# KiCad board FT232H_Board.kicad_pcb
title: FT232H Protoboard; date: 2021-01-04; rev: 0.1; company: Evil Circuits; note: 1st attempt; note: By: MaLo
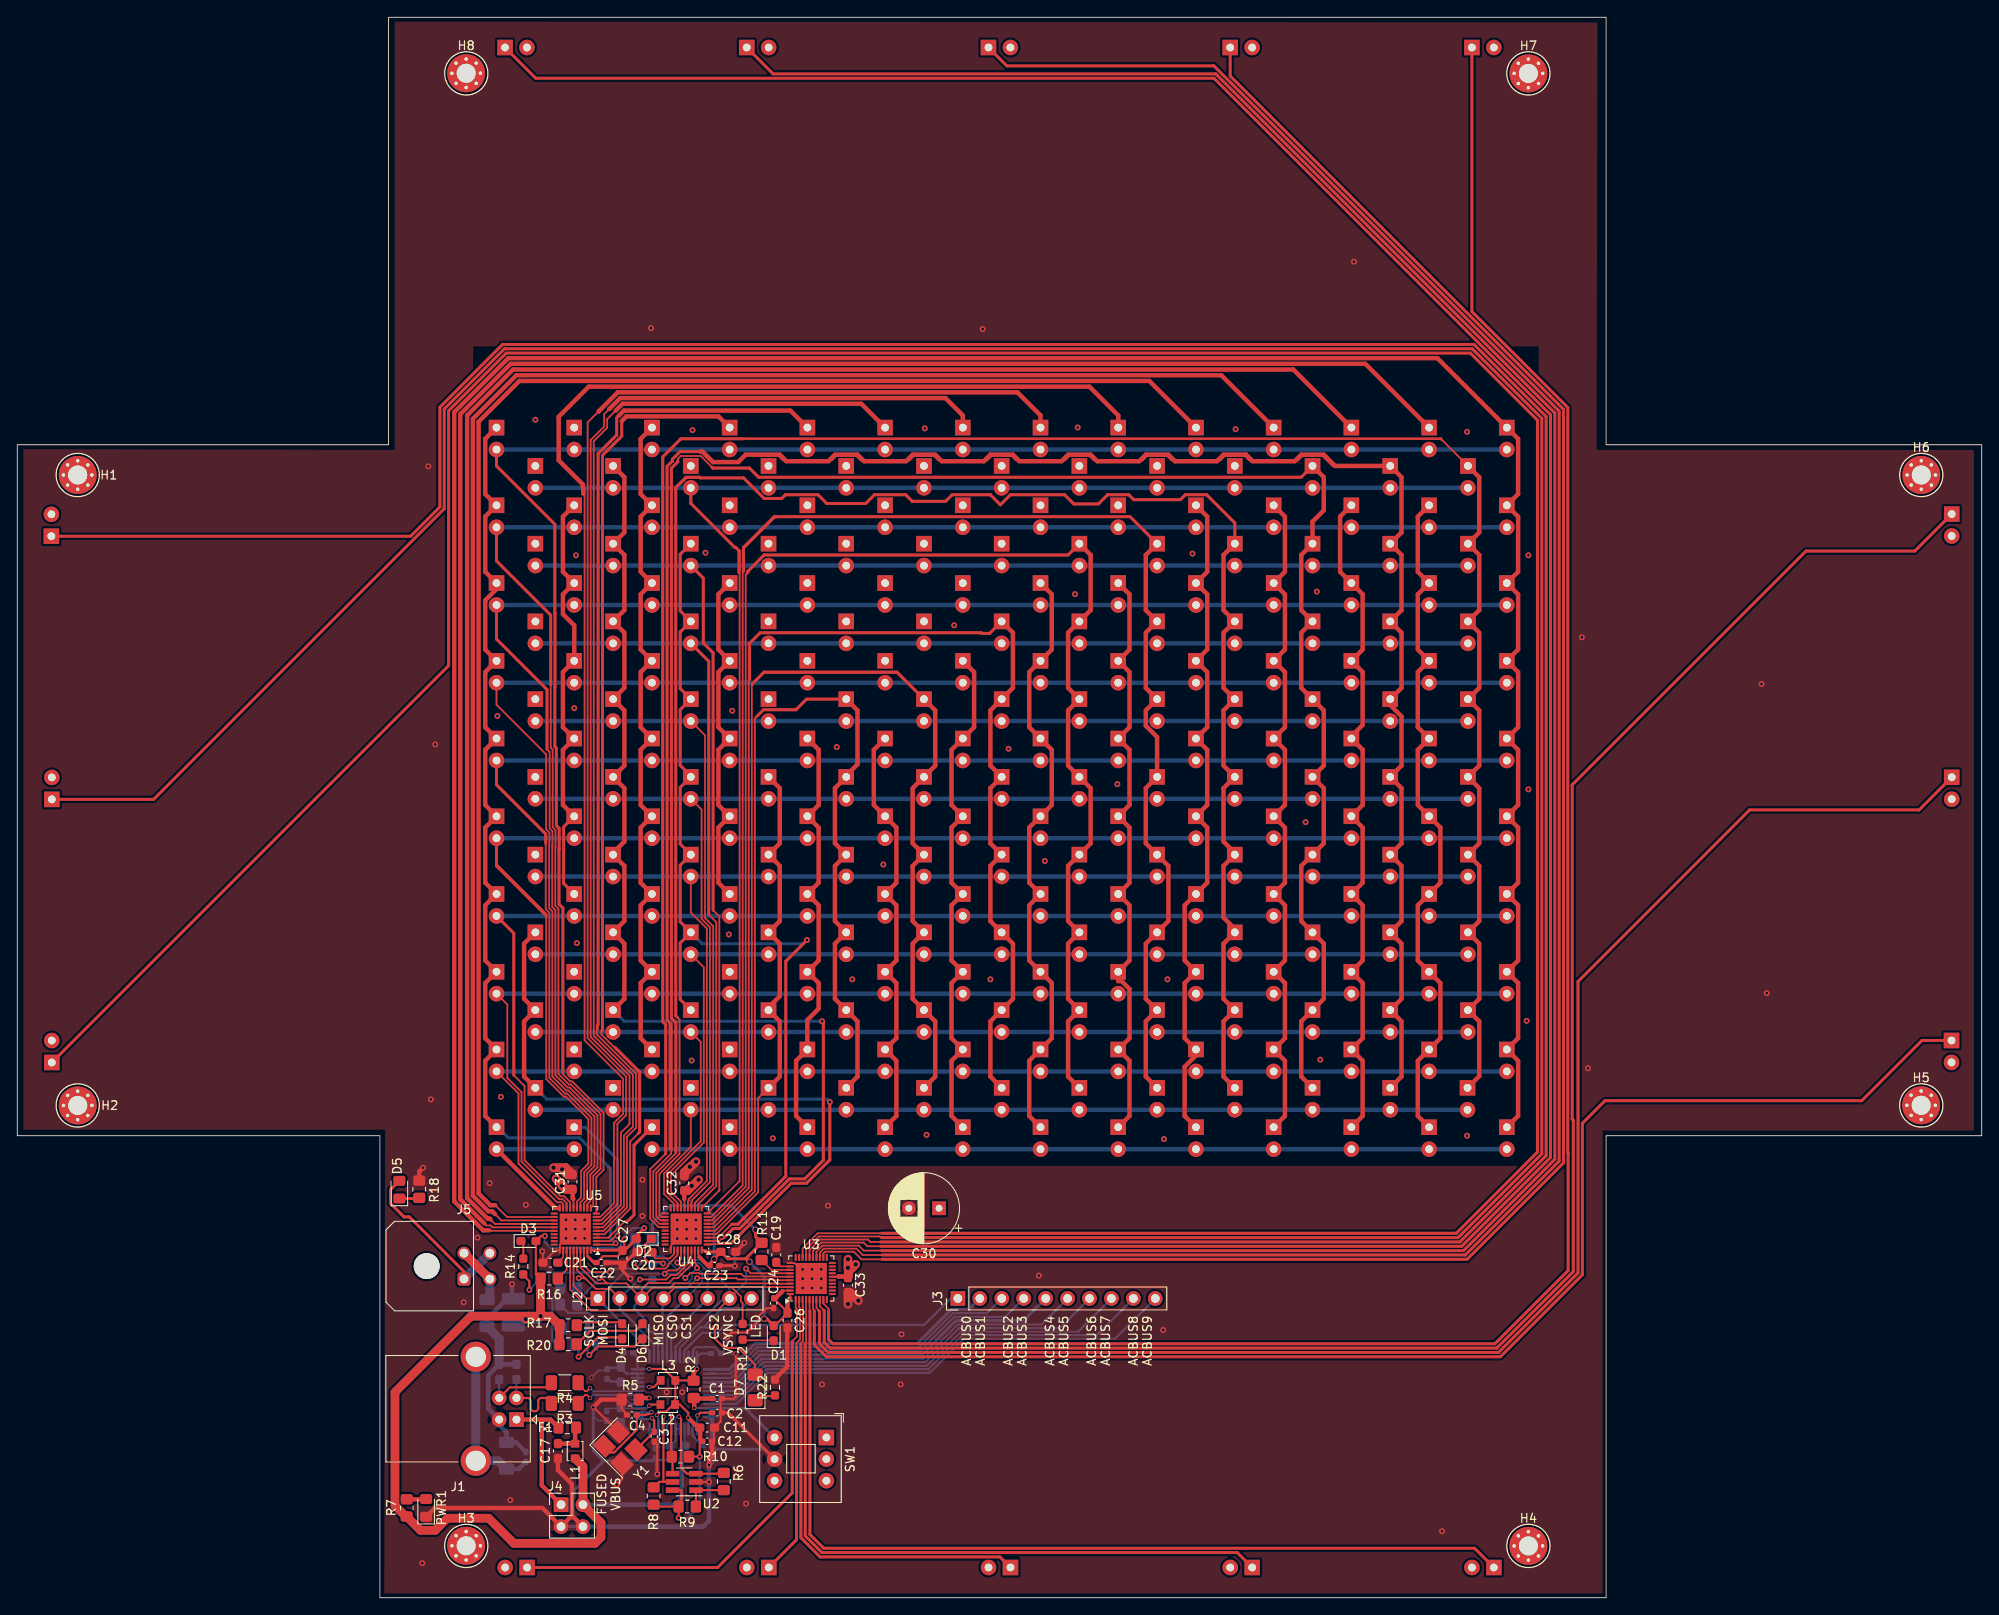
[diagram p0: board, top side]
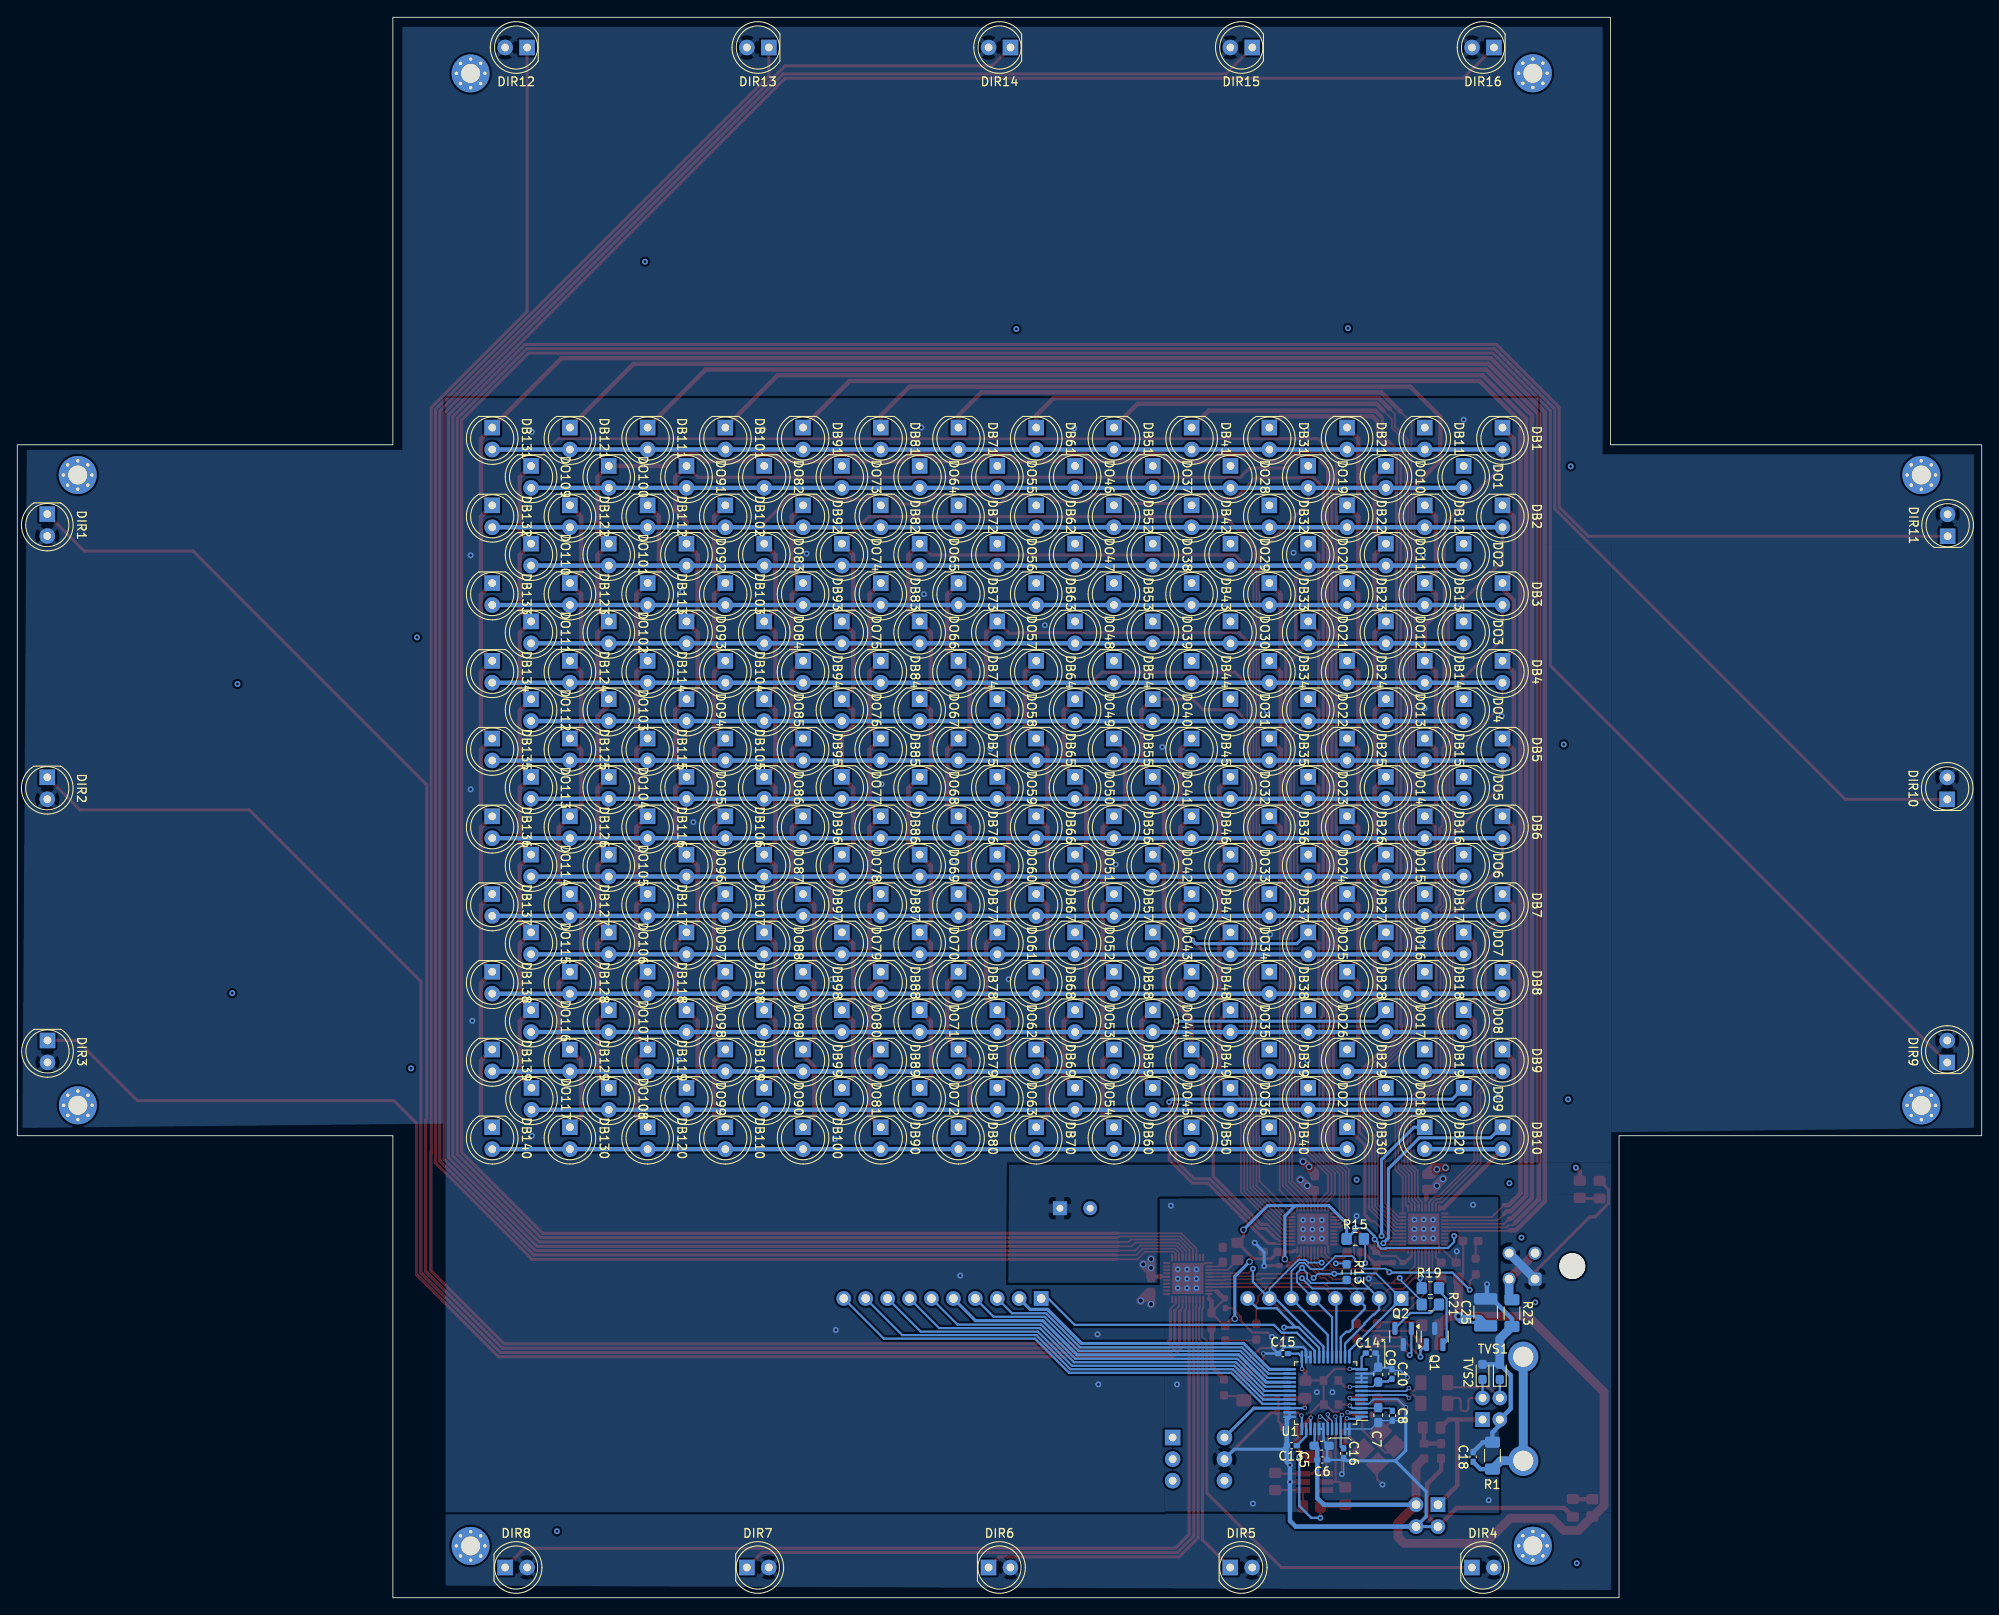
[diagram p1: board, bottom side, seen from below]

Outline 227.5 x 183 mm; copper layers: Top, In1.Cu, In2.Cu, Bottom. Coordinates in mm from the lower left corner of the outline.
Outline path: 0,53.5 0,133.5 43,133.5 43,183 184,183 184,133.5 227.5,133.5 227.5,53.5 184,53.5 184,0 42,0 42,53.5 closed
Stack: Top 0.035mm / dielectric 0.1mm FR4 er 4.5 / In1.Cu 0.035mm / dielectric 1.24mm FR4 er 4.5 / In2.Cu 0.035mm / dielectric 0.1mm FR4 er 4.5 / Bottom 0.035mm

## Placement (name value [footprint] x y rotation side)
C1  0.1uF  [C_0402_1005Metric_Pad0.74x0.62mm_HandSolder]  81.05 23.06 0 top
C2  0.1uF  [C_0402_1005Metric_Pad0.74x0.62mm_HandSolder]  81.05 21.41 0 top
C3  16pF  [C_0402_1005Metric_Pad0.74x0.62mm_HandSolder]  73.76 18.63 270 top
C4  16pF  [C_0402_1005Metric_Pad0.74x0.62mm_HandSolder]  71.17 21.16 180 top
C5  4.7uF  [C_0603_1608Metric_Pad1.08x0.95mm_HandSolder]  76.45 17.6 180 bottom
C6  0.1uF  [C_0402_1005Metric_Pad0.74x0.62mm_HandSolder]  76.38 15.95 180 bottom
C7  4.7uF  [C_0603_1608Metric_Pad1.08x0.95mm_HandSolder]  69.89 21.15 270 bottom
C8  0.1uF  [C_0402_1005Metric_Pad0.74x0.62mm_HandSolder]  68.25 21.07 270 bottom
C9  4.7uF  [C_0603_1608Metric_Pad1.08x0.95mm_HandSolder]  69.89 25.83 90 bottom
C10  0.1uF  [C_0402_1005Metric_Pad0.74x0.62mm_HandSolder]  68.3 25.91 90 bottom
C11  4.7uF  [C_0603_1608Metric_Pad1.08x0.95mm_HandSolder]  79.89 19.7 0 top
C12  0.1uF  [C_0402_1005Metric_Pad0.74x0.62mm_HandSolder]  79.91 18.11 0 top
C13  0.1uF  [C_0402_1005Metric_Pad0.74x0.62mm_HandSolder]  79.91 17.6 0 bottom
C14  0.1uF  [C_0402_1005Metric_Pad0.74x0.62mm_HandSolder]  70.76 28.34 180 bottom
C15  0.1uF  [C_0402_1005Metric_Pad0.74x0.62mm_HandSolder]  80.92 28.27 0 bottom
C16  0.1uF  [C_0402_1005Metric_Pad0.74x0.62mm_HandSolder]  73.89 16.73 270 bottom
C17  10nF  [C_0603_1608Metric_Pad1.08x0.95mm_HandSolder]  62.61 16.98 270 top
C18  0.1uF  [C_0402_1005Metric_Pad0.74x0.62mm_HandSolder]  58.9 16.3 90 bottom
C19  1uF  [C_0603_1608Metric_Pad1.08x0.95mm_HandSolder]  87.9 39.7 90 top
C20  1uF  [C_0603_1608Metric_Pad1.08x0.95mm_HandSolder]  72.64 40 180 top
C21  1uF  [C_0603_1608Metric_Pad1.08x0.95mm_HandSolder]  61.74 38.8 180 top
C22  1nF  [C_0402_1005Metric_Pad0.74x0.62mm_HandSolder]  67.65 38.8 0 top
C23  1nF  [C_0402_1005Metric_Pad0.74x0.62mm_HandSolder]  80.75 38.45 0 top
C24  1nF  [C_0402_1005Metric_Pad0.74x0.62mm_HandSolder]  87.6 34.1 270 top
C25  10uF  [C_1210_3225Metric_Pad1.33x2.70mm_HandSolder]  57.45 33.05 90 bottom
C26  1uF  [C_0603_1608Metric_Pad1.08x0.95mm_HandSolder]  89.2 32.1 270 top
C27  1uF  [C_0603_1608Metric_Pad1.08x0.95mm_HandSolder]  70.1 39.35 270 top
C28  1uF  [C_0603_1608Metric_Pad1.08x0.95mm_HandSolder]  82.35 40.05 0 top
C30  1000uF  [CP_Radial_D8.0mm_P3.50mm]  106.75 45.1 180 top
C31  1uF  [C_0603_1608Metric_Pad1.08x0.95mm_HandSolder]  64.3 48.15 90 top
C32  1uF  [C_0603_1608Metric_Pad1.08x0.95mm_HandSolder]  77.25 48 90 top
C33  1uF  [C_0603_1608Metric_Pad1.08x0.95mm_HandSolder]  96.2 36.2 270 top
D1  YELLOW  [LED_0603_1608Metric_Pad1.05x0.95mm_HandSolder]  87.6 30.62 90 top
D2  YELLOW  [LED_0603_1608Metric_Pad1.05x0.95mm_HandSolder]  72.55 41.55 180 top
D3  YELLOW  [LED_0603_1608Metric_Pad1.05x0.95mm_HandSolder]  59.2 41.3 0 top
D4  GREEN  [LED_0603_1608Metric_Pad1.05x0.95mm_HandSolder]  70.05 30.85 90 top
D5  RED  [LED_0805_2012Metric_Pad1.15x1.40mm_HandSolder]  44.25 47.25 90 top
D6  GREEN  [LED_0603_1608Metric_Pad1.05x0.95mm_HandSolder]  72.4 30.85 90 top
D7  BLUE  [LED_1206_3216Metric_Pad1.42x1.75mm_HandSolder]  85.45 24.35 90 top
DB1  LED_Blue_470  [LED_D5.0mm]  55.5 135.49 270 bottom
DB2  LED_Blue_470  [LED_D5.0mm]  55.5 126.49 270 bottom
DB3  LED_Blue_470  [LED_D5.0mm]  55.5 117.49 270 bottom
DB4  LED_Blue_470  [LED_D5.0mm]  55.5 108.49 270 bottom
DB5  LED_Blue_470  [LED_D5.0mm]  55.5 99.49 270 bottom
DB6  LED_Blue_470  [LED_D5.0mm]  55.5 90.48 270 bottom
DB7  LED_Blue_470  [LED_D5.0mm]  55.5 81.48 270 bottom
DB8  LED_Blue_470  [LED_D5.0mm]  55.5 72.48 270 bottom
DB9  LED_Blue_470  [LED_D5.0mm]  55.5 63.48 270 bottom
DB10  LED_Blue_470  [LED_D5.0mm]  55.5 54.48 270 bottom
DB11  LED_Blue_470  [LED_D5.0mm]  64.5 135.49 270 bottom
DB12  LED_Blue_470  [LED_D5.0mm]  64.5 126.49 270 bottom
DB13  LED_Blue_470  [LED_D5.0mm]  64.5 117.49 270 bottom
DB14  LED_Blue_470  [LED_D5.0mm]  64.5 108.49 270 bottom
DB15  LED_Blue_470  [LED_D5.0mm]  64.5 99.49 270 bottom
DB16  LED_Blue_470  [LED_D5.0mm]  64.5 90.48 270 bottom
DB17  LED_Blue_470  [LED_D5.0mm]  64.5 81.48 270 bottom
DB18  LED_Blue_470  [LED_D5.0mm]  64.5 72.48 270 bottom
DB19  LED_Blue_470  [LED_D5.0mm]  64.5 63.48 270 bottom
DB20  LED_Blue_470  [LED_D5.0mm]  64.5 54.48 270 bottom
DB21  LED_Blue_470  [LED_D5.0mm]  73.5 135.49 270 bottom
DB22  LED_Blue_470  [LED_D5.0mm]  73.5 126.49 270 bottom
DB23  LED_Blue_470  [LED_D5.0mm]  73.5 117.49 270 bottom
DB24  LED_Blue_470  [LED_D5.0mm]  73.5 108.49 270 bottom
DB25  LED_Blue_470  [LED_D5.0mm]  73.5 99.49 270 bottom
DB26  LED_Blue_470  [LED_D5.0mm]  73.5 90.48 270 bottom
DB27  LED_Blue_470  [LED_D5.0mm]  73.5 81.48 270 bottom
DB28  LED_Blue_470  [LED_D5.0mm]  73.5 72.48 270 bottom
DB29  LED_Blue_470  [LED_D5.0mm]  73.5 63.48 270 bottom
DB30  LED_Blue_470  [LED_D5.0mm]  73.5 54.48 270 bottom
DB31  LED_Blue_470  [LED_D5.0mm]  82.5 135.49 270 bottom
DB32  LED_Blue_470  [LED_D5.0mm]  82.5 126.49 270 bottom
DB33  LED_Blue_470  [LED_D5.0mm]  82.5 117.49 270 bottom
DB34  LED_Blue_470  [LED_D5.0mm]  82.5 108.49 270 bottom
DB35  LED_Blue_470  [LED_D5.0mm]  82.5 99.49 270 bottom
DB36  LED_Blue_470  [LED_D5.0mm]  82.5 90.48 270 bottom
DB37  LED_Blue_470  [LED_D5.0mm]  82.5 81.48 270 bottom
DB38  LED_Blue_470  [LED_D5.0mm]  82.5 72.48 270 bottom
DB39  LED_Blue_470  [LED_D5.0mm]  82.5 63.48 270 bottom
DB40  LED_Blue_470  [LED_D5.0mm]  82.5 54.48 270 bottom
DB41  LED_Blue_470  [LED_D5.0mm]  91.5 135.49 270 bottom
DB42  LED_Blue_470  [LED_D5.0mm]  91.5 126.49 270 bottom
DB43  LED_Blue_470  [LED_D5.0mm]  91.5 117.49 270 bottom
DB44  LED_Blue_470  [LED_D5.0mm]  91.5 108.49 270 bottom
DB45  LED_Blue_470  [LED_D5.0mm]  91.5 99.49 270 bottom
DB46  LED_Blue_470  [LED_D5.0mm]  91.5 90.48 270 bottom
DB47  LED_Blue_470  [LED_D5.0mm]  91.5 81.48 270 bottom
DB48  LED_Blue_470  [LED_D5.0mm]  91.5 72.48 270 bottom
DB49  LED_Blue_470  [LED_D5.0mm]  91.5 63.48 270 bottom
DB50  LED_Blue_470  [LED_D5.0mm]  91.5 54.48 270 bottom
DB51  LED_Blue_470  [LED_D5.0mm]  100.5 135.49 270 bottom
DB52  LED_Blue_470  [LED_D5.0mm]  100.5 126.49 270 bottom
DB53  LED_Blue_470  [LED_D5.0mm]  100.5 117.49 270 bottom
DB54  LED_Blue_470  [LED_D5.0mm]  100.5 108.49 270 bottom
DB55  LED_Blue_470  [LED_D5.0mm]  100.5 99.49 270 bottom
DB56  LED_Blue_470  [LED_D5.0mm]  100.5 90.48 270 bottom
DB57  LED_Blue_470  [LED_D5.0mm]  100.5 81.48 270 bottom
DB58  LED_Blue_470  [LED_D5.0mm]  100.5 72.48 270 bottom
DB59  LED_Blue_470  [LED_D5.0mm]  100.5 63.48 270 bottom
DB60  LED_Blue_470  [LED_D5.0mm]  100.5 54.48 270 bottom
DB61  LED_Blue_470  [LED_D5.0mm]  109.5 135.49 270 bottom
DB62  LED_Blue_470  [LED_D5.0mm]  109.5 126.49 270 bottom
DB63  LED_Blue_470  [LED_D5.0mm]  109.5 117.49 270 bottom
DB64  LED_Blue_470  [LED_D5.0mm]  109.5 108.49 270 bottom
DB65  LED_Blue_470  [LED_D5.0mm]  109.5 99.49 270 bottom
DB66  LED_Blue_470  [LED_D5.0mm]  109.5 90.48 270 bottom
DB67  LED_Blue_470  [LED_D5.0mm]  109.5 81.48 270 bottom
DB68  LED_Blue_470  [LED_D5.0mm]  109.5 72.48 270 bottom
DB69  LED_Blue_470  [LED_D5.0mm]  109.5 63.48 270 bottom
DB70  LED_Blue_470  [LED_D5.0mm]  109.5 54.48 270 bottom
DB71  LED_Blue_470  [LED_D5.0mm]  118.5 135.49 270 bottom
DB72  LED_Blue_470  [LED_D5.0mm]  118.5 126.49 270 bottom
DB73  LED_Blue_470  [LED_D5.0mm]  118.5 117.49 270 bottom
DB74  LED_Blue_470  [LED_D5.0mm]  118.5 108.49 270 bottom
DB75  LED_Blue_470  [LED_D5.0mm]  118.5 99.49 270 bottom
DB76  LED_Blue_470  [LED_D5.0mm]  118.5 90.48 270 bottom
DB77  LED_Blue_470  [LED_D5.0mm]  118.5 81.48 270 bottom
DB78  LED_Blue_470  [LED_D5.0mm]  118.5 72.48 270 bottom
DB79  LED_Blue_470  [LED_D5.0mm]  118.5 63.48 270 bottom
DB80  LED_Blue_470  [LED_D5.0mm]  118.5 54.48 270 bottom
DB81  LED_Blue_470  [LED_D5.0mm]  127.5 135.49 270 bottom
DB82  LED_Blue_470  [LED_D5.0mm]  127.5 126.49 270 bottom
DB83  LED_Blue_470  [LED_D5.0mm]  127.5 117.49 270 bottom
DB84  LED_Blue_470  [LED_D5.0mm]  127.5 108.49 270 bottom
DB85  LED_Blue_470  [LED_D5.0mm]  127.5 99.49 270 bottom
DB86  LED_Blue_470  [LED_D5.0mm]  127.5 90.48 270 bottom
DB87  LED_Blue_470  [LED_D5.0mm]  127.5 81.48 270 bottom
DB88  LED_Blue_470  [LED_D5.0mm]  127.5 72.48 270 bottom
DB89  LED_Blue_470  [LED_D5.0mm]  127.5 63.48 270 bottom
DB90  LED_Blue_470  [LED_D5.0mm]  127.5 54.48 270 bottom
DB91  LED_Blue_470  [LED_D5.0mm]  136.5 135.49 270 bottom
DB92  LED_Blue_470  [LED_D5.0mm]  136.5 126.49 270 bottom
DB93  LED_Blue_470  [LED_D5.0mm]  136.5 117.49 270 bottom
DB94  LED_Blue_470  [LED_D5.0mm]  136.5 108.49 270 bottom
DB95  LED_Blue_470  [LED_D5.0mm]  136.5 99.49 270 bottom
DB96  LED_Blue_470  [LED_D5.0mm]  136.5 90.48 270 bottom
DB97  LED_Blue_470  [LED_D5.0mm]  136.5 81.48 270 bottom
DB98  LED_Blue_470  [LED_D5.0mm]  136.5 72.48 270 bottom
DB99  LED_Blue_470  [LED_D5.0mm]  136.5 63.48 270 bottom
DB100  LED_Blue_470  [LED_D5.0mm]  136.5 54.48 270 bottom
DB101  LED_Blue_470  [LED_D5.0mm]  145.5 135.49 270 bottom
DB102  LED_Blue_470  [LED_D5.0mm]  145.5 126.49 270 bottom
DB103  LED_Blue_470  [LED_D5.0mm]  145.5 117.49 270 bottom
DB104  LED_Blue_470  [LED_D5.0mm]  145.5 108.49 270 bottom
DB105  LED_Blue_470  [LED_D5.0mm]  145.5 99.49 270 bottom
DB106  LED_Blue_470  [LED_D5.0mm]  145.5 90.48 270 bottom
DB107  LED_Blue_470  [LED_D5.0mm]  145.5 81.48 270 bottom
DB108  LED_Blue_470  [LED_D5.0mm]  145.5 72.48 270 bottom
DB109  LED_Blue_470  [LED_D5.0mm]  145.5 63.48 270 bottom
DB110  LED_Blue_470  [LED_D5.0mm]  145.5 54.48 270 bottom
DB111  LED_Blue_470  [LED_D5.0mm]  154.5 135.49 270 bottom
DB112  LED_Blue_470  [LED_D5.0mm]  154.5 126.49 270 bottom
DB113  LED_Blue_470  [LED_D5.0mm]  154.5 117.49 270 bottom
DB114  LED_Blue_470  [LED_D5.0mm]  154.5 108.49 270 bottom
DB115  LED_Blue_470  [LED_D5.0mm]  154.5 99.49 270 bottom
DB116  LED_Blue_470  [LED_D5.0mm]  154.5 90.48 270 bottom
DB117  LED_Blue_470  [LED_D5.0mm]  154.5 81.48 270 bottom
DB118  LED_Blue_470  [LED_D5.0mm]  154.5 72.48 270 bottom
DB119  LED_Blue_470  [LED_D5.0mm]  154.5 63.48 270 bottom
DB120  LED_Blue_470  [LED_D5.0mm]  154.5 54.48 270 bottom
DB121  LED_Blue_470  [LED_D5.0mm]  163.5 135.49 270 bottom
DB122  LED_Blue_470  [LED_D5.0mm]  163.5 126.49 270 bottom
DB123  LED_Blue_470  [LED_D5.0mm]  163.5 117.49 270 bottom
DB124  LED_Blue_470  [LED_D5.0mm]  163.5 108.49 270 bottom
DB125  LED_Blue_470  [LED_D5.0mm]  163.5 99.49 270 bottom
DB126  LED_Blue_470  [LED_D5.0mm]  163.5 90.48 270 bottom
DB127  LED_Blue_470  [LED_D5.0mm]  163.5 81.48 270 bottom
DB128  LED_Blue_470  [LED_D5.0mm]  163.5 72.48 270 bottom
DB129  LED_Blue_470  [LED_D5.0mm]  163.5 63.48 270 bottom
DB130  LED_Blue_470  [LED_D5.0mm]  163.5 54.48 270 bottom
DB131  LED_Blue_470  [LED_D5.0mm]  172.5 135.49 270 bottom
DB132  LED_Blue_470  [LED_D5.0mm]  172.5 126.49 270 bottom
DB133  LED_Blue_470  [LED_D5.0mm]  172.5 117.49 270 bottom
DB134  LED_Blue_470  [LED_D5.0mm]  172.5 108.49 270 bottom
DB135  LED_Blue_470  [LED_D5.0mm]  172.5 99.49 270 bottom
DB136  LED_Blue_470  [LED_D5.0mm]  172.5 90.48 270 bottom
DB137  LED_Blue_470  [LED_D5.0mm]  172.5 81.48 270 bottom
DB138  LED_Blue_470  [LED_D5.0mm]  172.5 72.48 270 bottom
DB139  LED_Blue_470  [LED_D5.0mm]  172.5 63.48 270 bottom
DB140  LED_Blue_470  [LED_D5.0mm]  172.5 54.48 270 bottom
DIR1  LED_IR_850  [LED_D5.0mm]  224.02 125.47 270 bottom
DIR2  LED_IR_850  [LED_D5.0mm]  224.02 95 270 bottom
DIR3  LED_IR_850  [LED_D5.0mm]  224 64.52 270 bottom
DIR4  LED_IR_850  [LED_D5.0mm]  59.04 3.5 180 bottom
DIR5  LED_IR_850  [LED_D5.0mm]  87.03 3.5 180 bottom
DIR6  LED_IR_850  [LED_D5.0mm]  115.02 3.5 180 bottom
DIR7  LED_IR_850  [LED_D5.0mm]  143.01 3.5 180 bottom
DIR8  LED_IR_850  [LED_D5.0mm]  171 3.5 180 bottom
DIR9  LED_IR_850  [LED_D5.0mm]  4 61.97 90 bottom
DIR10  LED_IR_850  [LED_D5.0mm]  4 92.44 90 bottom
DIR11  LED_IR_850  [LED_D5.0mm]  3.95 122.91 90 bottom
DIR12  LED_IR_850  [LED_D5.0mm]  168.46 179.5 0 bottom
DIR13  LED_IR_850  [LED_D5.0mm]  140.47 179.5 0 bottom
DIR14  LED_IR_850  [LED_D5.0mm]  112.47 179.5 0 bottom
DIR15  LED_IR_850  [LED_D5.0mm]  84.48 179.5 0 bottom
DIR16  LED_IR_850  [LED_D5.0mm]  56.48 179.5 0 bottom
DO1  LED_Opto_590  [LED_D5.0mm]  60 131.05 270 bottom
DO2  LED_Opto_590  [LED_D5.0mm]  60 122.05 270 bottom
DO3  LED_Opto_590  [LED_D5.0mm]  60 113.05 270 bottom
DO4  LED_Opto_590  [LED_D5.0mm]  60 104.05 270 bottom
DO5  LED_Opto_590  [LED_D5.0mm]  60 95.04 270 bottom
DO6  LED_Opto_590  [LED_D5.0mm]  60 86.04 270 bottom
DO7  LED_Opto_590  [LED_D5.0mm]  60 77.04 270 bottom
DO8  LED_Opto_590  [LED_D5.0mm]  60 68.04 270 bottom
DO9  LED_Opto_590  [LED_D5.0mm]  60 59.04 270 bottom
DO10  LED_Opto_590  [LED_D5.0mm]  69 131.05 270 bottom
DO11  LED_Opto_590  [LED_D5.0mm]  69 122.05 270 bottom
DO12  LED_Opto_590  [LED_D5.0mm]  69 113.05 270 bottom
DO13  LED_Opto_590  [LED_D5.0mm]  69 104.05 270 bottom
DO14  LED_Opto_590  [LED_D5.0mm]  69 95.04 270 bottom
DO15  LED_Opto_590  [LED_D5.0mm]  69 86.04 270 bottom
DO16  LED_Opto_590  [LED_D5.0mm]  69 77.04 270 bottom
DO17  LED_Opto_590  [LED_D5.0mm]  69 68.04 270 bottom
DO18  LED_Opto_590  [LED_D5.0mm]  69 59.04 270 bottom
DO19  LED_Opto_590  [LED_D5.0mm]  78 131.05 270 bottom
DO20  LED_Opto_590  [LED_D5.0mm]  78 122.05 270 bottom
DO21  LED_Opto_590  [LED_D5.0mm]  78 113.05 270 bottom
DO22  LED_Opto_590  [LED_D5.0mm]  78 104.05 270 bottom
DO23  LED_Opto_590  [LED_D5.0mm]  78 95.04 270 bottom
DO24  LED_Opto_590  [LED_D5.0mm]  78 86.04 270 bottom
DO25  LED_Opto_590  [LED_D5.0mm]  78 77.04 270 bottom
DO26  LED_Opto_590  [LED_D5.0mm]  78 68.04 270 bottom
DO27  LED_Opto_590  [LED_D5.0mm]  78 59.04 270 bottom
DO28  LED_Opto_590  [LED_D5.0mm]  87 131.05 270 bottom
DO29  LED_Opto_590  [LED_D5.0mm]  87 122.05 270 bottom
DO30  LED_Opto_590  [LED_D5.0mm]  87 113.05 270 bottom
DO31  LED_Opto_590  [LED_D5.0mm]  87 104.05 270 bottom
DO32  LED_Opto_590  [LED_D5.0mm]  87 95.04 270 bottom
DO33  LED_Opto_590  [LED_D5.0mm]  87 86.04 270 bottom
DO34  LED_Opto_590  [LED_D5.0mm]  87 77.04 270 bottom
DO35  LED_Opto_590  [LED_D5.0mm]  87 68.04 270 bottom
DO36  LED_Opto_590  [LED_D5.0mm]  87 59.04 270 bottom
DO37  LED_Opto_590  [LED_D5.0mm]  96 131.05 270 bottom
DO38  LED_Opto_590  [LED_D5.0mm]  96 122.05 270 bottom
DO39  LED_Opto_590  [LED_D5.0mm]  96 113.05 270 bottom
DO40  LED_Opto_590  [LED_D5.0mm]  96 104.05 270 bottom
DO41  LED_Opto_590  [LED_D5.0mm]  96 95.04 270 bottom
DO42  LED_Opto_590  [LED_D5.0mm]  96 86.04 270 bottom
DO43  LED_Opto_590  [LED_D5.0mm]  96 77.04 270 bottom
DO44  LED_Opto_590  [LED_D5.0mm]  96 68.04 270 bottom
DO45  LED_Opto_590  [LED_D5.0mm]  96 59.04 270 bottom
DO46  LED_Opto_590  [LED_D5.0mm]  105 131.05 270 bottom
DO47  LED_Opto_590  [LED_D5.0mm]  105 122.05 270 bottom
DO48  LED_Opto_590  [LED_D5.0mm]  105 113.05 270 bottom
DO49  LED_Opto_590  [LED_D5.0mm]  105 104.05 270 bottom
DO50  LED_Opto_590  [LED_D5.0mm]  105 95.04 270 bottom
DO51  LED_Opto_590  [LED_D5.0mm]  105 86.04 270 bottom
DO52  LED_Opto_590  [LED_D5.0mm]  105 77.04 270 bottom
DO53  LED_Opto_590  [LED_D5.0mm]  105 68.04 270 bottom
DO54  LED_Opto_590  [LED_D5.0mm]  105 59.04 270 bottom
DO55  LED_Opto_590  [LED_D5.0mm]  114 131.05 270 bottom
DO56  LED_Opto_590  [LED_D5.0mm]  114 122.05 270 bottom
DO57  LED_Opto_590  [LED_D5.0mm]  114 113.05 270 bottom
DO58  LED_Opto_590  [LED_D5.0mm]  114 104.05 270 bottom
DO59  LED_Opto_590  [LED_D5.0mm]  114 95.04 270 bottom
DO60  LED_Opto_590  [LED_D5.0mm]  114 86.04 270 bottom
DO61  LED_Opto_590  [LED_D5.0mm]  114 77.04 270 bottom
DO62  LED_Opto_590  [LED_D5.0mm]  114 68.04 270 bottom
DO63  LED_Opto_590  [LED_D5.0mm]  114 59.04 270 bottom
DO64  LED_Opto_590  [LED_D5.0mm]  123 131.05 270 bottom
DO65  LED_Opto_590  [LED_D5.0mm]  123 122.05 270 bottom
DO66  LED_Opto_590  [LED_D5.0mm]  123 113.05 270 bottom
DO67  LED_Opto_590  [LED_D5.0mm]  123 104.05 270 bottom
DO68  LED_Opto_590  [LED_D5.0mm]  123 95.04 270 bottom
DO69  LED_Opto_590  [LED_D5.0mm]  123 86.04 270 bottom
DO70  LED_Opto_590  [LED_D5.0mm]  123 77.04 270 bottom
DO71  LED_Opto_590  [LED_D5.0mm]  123 68.04 270 bottom
DO72  LED_Opto_590  [LED_D5.0mm]  123 59.04 270 bottom
DO73  LED_Opto_590  [LED_D5.0mm]  132 131.05 270 bottom
DO74  LED_Opto_590  [LED_D5.0mm]  132 122.05 270 bottom
DO75  LED_Opto_590  [LED_D5.0mm]  132 113.05 270 bottom
DO76  LED_Opto_590  [LED_D5.0mm]  132 104.05 270 bottom
DO77  LED_Opto_590  [LED_D5.0mm]  132 95.04 270 bottom
DO78  LED_Opto_590  [LED_D5.0mm]  132 86.04 270 bottom
DO79  LED_Opto_590  [LED_D5.0mm]  132 77.04 270 bottom
DO80  LED_Opto_590  [LED_D5.0mm]  132 68.04 270 bottom
DO81  LED_Opto_590  [LED_D5.0mm]  132 59.04 270 bottom
DO82  LED_Opto_590  [LED_D5.0mm]  141 131.05 270 bottom
DO83  LED_Opto_590  [LED_D5.0mm]  141 122.05 270 bottom
DO84  LED_Opto_590  [LED_D5.0mm]  141 113.05 270 bottom
DO85  LED_Opto_590  [LED_D5.0mm]  141 104.05 270 bottom
DO86  LED_Opto_590  [LED_D5.0mm]  141 95.04 270 bottom
DO87  LED_Opto_590  [LED_D5.0mm]  141 86.04 270 bottom
DO88  LED_Opto_590  [LED_D5.0mm]  141 77.04 270 bottom
DO89  LED_Opto_590  [LED_D5.0mm]  141 68.04 270 bottom
DO90  LED_Opto_590  [LED_D5.0mm]  141 59.04 270 bottom
DO91  LED_Opto_590  [LED_D5.0mm]  150 131.05 270 bottom
DO92  LED_Opto_590  [LED_D5.0mm]  150 122.05 270 bottom
DO93  LED_Opto_590  [LED_D5.0mm]  150 113.05 270 bottom
DO94  LED_Opto_590  [LED_D5.0mm]  150 104.05 270 bottom
DO95  LED_Opto_590  [LED_D5.0mm]  150 95.04 270 bottom
DO96  LED_Opto_590  [LED_D5.0mm]  150 86.04 270 bottom
DO97  LED_Opto_590  [LED_D5.0mm]  150 77.04 270 bottom
DO98  LED_Opto_590  [LED_D5.0mm]  150 68.04 270 bottom
DO99  LED_Opto_590  [LED_D5.0mm]  150 59.04 270 bottom
DO100  LED_Opto_590  [LED_D5.0mm]  159 131.05 270 bottom
DO101  LED_Opto_590  [LED_D5.0mm]  159 122.05 270 bottom
DO102  LED_Opto_590  [LED_D5.0mm]  159 113.05 270 bottom
DO103  LED_Opto_590  [LED_D5.0mm]  159 104.05 270 bottom
DO104  LED_Opto_590  [LED_D5.0mm]  159 95.04 270 bottom
DO105  LED_Opto_590  [LED_D5.0mm]  159 86.04 270 bottom
DO106  LED_Opto_590  [LED_D5.0mm]  159 77.04 270 bottom
DO107  LED_Opto_590  [LED_D5.0mm]  159 68.04 270 bottom
DO108  LED_Opto_590  [LED_D5.0mm]  159 59.04 270 bottom
DO109  LED_Opto_590  [LED_D5.0mm]  168 131.05 270 bottom
DO110  LED_Opto_590  [LED_D5.0mm]  168 122.05 270 bottom
DO111  LED_Opto_590  [LED_D5.0mm]  168 113.05 270 bottom
DO112  LED_Opto_590  [LED_D5.0mm]  168 104.05 270 bottom
DO113  LED_Opto_590  [LED_D5.0mm]  168 95.04 270 bottom
DO114  LED_Opto_590  [LED_D5.0mm]  168 86.04 270 bottom
DO115  LED_Opto_590  [LED_D5.0mm]  168 77.04 270 bottom
DO116  LED_Opto_590  [LED_D5.0mm]  168 68.04 270 bottom
DO117  LED_Opto_590  [LED_D5.0mm]  167.95 59.04 270 bottom
F1  0ZCK0010FF2G  [Fuse_0805_2012Metric_Pad1.15x1.40mm_HandSolder]  63.7 19.7 180 top
H1  MountingHole  [MountingHole_2.2mm_M2_Pad_Via]  7 130 0 top
H2  MountingHole  [MountingHole_2.2mm_M2_Pad_Via]  7 57 0 top
H3  MountingHole  [MountingHole_2.2mm_M2_Pad_Via]  51.98 6.02 0 top